# KiCad board cryboard.kicad_pcb (continued)
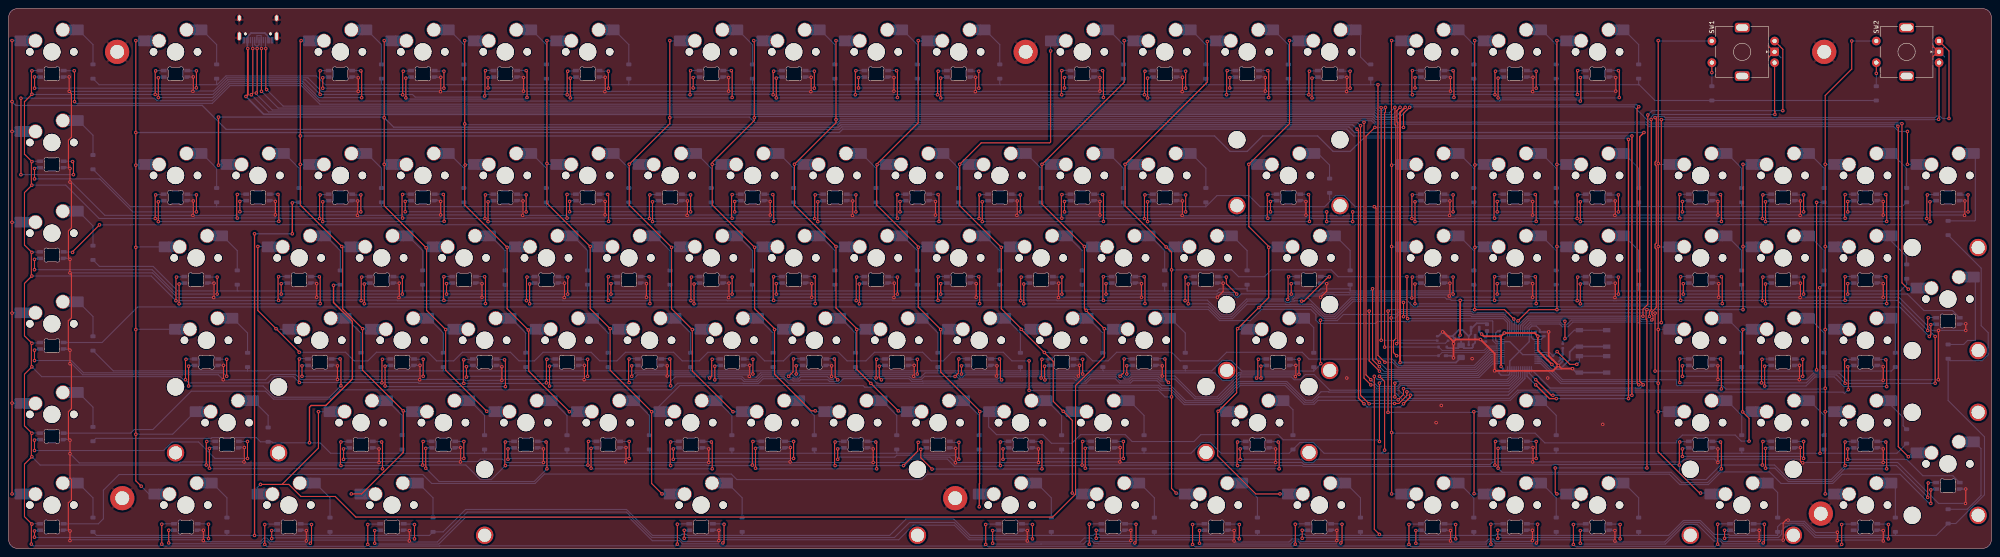
[diagram p0: board, top side]
## Routing (per net, layer and track width the routed paths; a pad name or vN(x,y) marks a point on that pad's centre or on a via; arc(x,y) is an arc through that point) (continued)
COL13: length 203.7
  Top w0.25: v1(295.99,117.39) 295.99,98.19 v1(286.59,88.79) 286.59,74.39 291.19,69.79 v1(291.19,69.59) 291.19,57.99 288.92,55.72 ; v1(322.33,56.86) v1(322.33,53.56) ; 288.92,55.72 v1(288.92,55.67) ; 288.92,55.72 v1(283.99,50.79) 283.77,50.57 283.77,35.97 v1(279.49,31.69) 279.39,31.59 279.39,21.39 288.19,12.59 v1(293.79,12.59)
  Bottom w0.25: U1.38 346.88,52.31 345.63,53.56 338.11,53.56 337.84,53.84 322.61,53.84 v1(322.33,53.56) ; v1(283.99,50.79) 284.12,50.65 MX75.1 ; MX54.1 291.3,69.7 v1(291.19,69.59) ; MX14.1 296.05,117.33 v1(295.99,117.39) ; 288.38,88.75 286.62,88.75 v1(286.59,88.79) ; MX91.1 279.57,31.6 v1(279.49,31.69) ; v1(288.92,55.67) 289.18,55.92 300.98,55.92 303.8,53.1 306.68,53.1 310.71,57.13 322.06,57.13 v1(322.33,56.86) ; v1(293.79,12.59) 295.48,12.59
COL14: length 260.8
  Top w0.25: v1(402.19,24.79) 402.19,30.06 v1(400.69,31.55) 400.69,50.49 v1(400.79,50.59) ; v1(319.59,12.59) v1(319.59,26.79) 319.55,26.82 319.55,53.2 v1(319.48,53.27) 319.59,53.38 v1(319.59,69.79) v1(319.59,88.59) 319.55,88.62 319.55,117.35 v1(319.59,117.39)
  Bottom w0.25: v1(319.59,88.59) 319.75,88.75 321.71,88.75 ; MX55.1 319.67,69.7 v1(319.59,69.79) ; v1(400.79,50.59) 402.61,50.59 ; v1(319.48,53.27) 320.48,53.27 321.49,54.29 338.02,54.29 338.3,54.01 345.81,54.01 347.38,52.44 U1.39 ; v1(400.69,31.55) 402.62,31.55 ; v1(319.59,117.39) 319.65,117.33 MX15.1 ; v1(319.59,26.79) 319.75,26.62 352.75,26.62 354.99,24.39 385.46,24.39 385.46,24.89 386.76,26.19 398.99,26.19 400.39,24.79 v1(402.19,24.79) ; v1(319.59,12.59) 321.68,12.59
COL15: length 168.3
  Top w0.25: v1(338.59,31.59) 338.64,31.53 v1(338.64,12.64) ; v1(347.83,53.02) 345.66,55.19 v1(338.79,55.19) v1(338.79,117.39) ; v1(318.75,31.44) v1(318.75,54.86)
  Bottom w0.25: v1(338.64,12.64) 338.73,12.55 MX107.1 ; v1(338.79,55.19) 319.08,55.19 v1(318.75,54.86) ; v1(318.75,31.44) 338.44,31.44 v1(338.59,31.59) 338.6,31.6 MX92.1 ; v1(347.83,53.02) 347.93,52.92 347.93,51.72 347.88,51.67 U1.40 ; v1(338.79,117.39) 338.85,117.33 MX16.1
  Bottom w0.3: v1(338.84,69.59) 338.94,69.7 MX56.1 ; 340.76,88.75 338.94,88.75 v1(338.84,88.64)
COL16: length 227.9
  Top w0.25: v1(400.79,55.19) v1(400.79,69.79) v1(400.79,88.79) ; v1(348.8,52.6) 351.39,55.19 v1(357.79,55.19) v1(357.79,69.79) v1(357.79,88.79) v1(357.79,117.39) ; v1(378.59,18.59) 378.59,52.79 378.39,52.99 378.39,54.99 v1(378.59,55.19) ; v1(357.39,18.59) 357.39,12.99 v1(357.79,12.59)
  Bottom w0.25: v1(357.79,55.19) v1(378.59,55.19) v1(400.79,55.19) ; v1(400.79,88.79) 402.64,88.79 ; U1.41 348.38,52.18 v1(348.8,52.6) ; MX57.1 357.87,69.7 v1(357.79,69.79) ; v1(357.79,88.79) 357.82,88.75 359.81,88.75 ; v1(357.79,117.39) 357.85,117.33 MX17.1 ; v1(357.39,18.59) v1(378.59,18.59) ; v1(357.79,12.59) 359.78,12.59 ; v1(400.79,69.79) 402.59,69.79
COL17: length 163.1
  Top w0.25: v1(390.99,12.79) 390.73,12.79 381.19,22.33 v1(381.19,31.59) v1(381.19,38.19) v1(381.19,50.59) v1(381.19,69.79) v1(381.19,88.99) v1(381.19,117.39)
  Bottom w0.25: v1(381.19,69.79) 381.27,69.7 MX58.1 ; v1(390.99,12.79) 392.92,12.79 ; v1(381.19,38.19) 380.84,38.53 358.88,38.53 354.13,43.29 U1.11 ; v1(381.19,117.39) 381.29,117.29 SW1.S1 ; MX93.1 381.2,31.6 v1(381.19,31.59) ; 383.63,88.75 381.42,88.75 v1(381.19,88.99) ; v1(381.19,50.59) 381.25,50.65 MX76.1
COL18: length 192.8
  Top w0.25: v1(425.91,117.29) 425.91,110.82 419.79,104.69 v1(419.79,88.79) v1(419.79,69.79) v1(419.79,50.59) v1(419.79,31.59) v1(419.79,12.59)
  Bottom w0.25: 421.73,88.75 419.82,88.75 v1(419.79,88.79) ; v1(419.79,37) 419.6,36.81 396.86,36.81 396.06,37.61 385.61,37.61 385.43,37.79 385.43,38.98 359.07,38.98 354.26,43.79 U1.10 ; v1(419.79,12.59) 421.69,12.59 ; v1(419.79,31.59) 419.8,31.6 MX95.1 ; v1(419.79,69.79) 419.87,69.7 MX60.1 ; v1(419.79,50.59) 419.85,50.65 MX78.1 ; v1(425.91,117.29) SW2.S1
D+: length 359.7
  Top w0.25: v1(317.96,46.52) 317.96,100.66 318.15,100.86 v1(318.15,101.96) ; v1(58.42,105.66) 58.42,115.18
  Bottom w0.2: 330.48,46.54 331.25,45.76 340.94,45.76 341.94,46.76 343.84,46.76 343.86,46.79 U1.33
  Bottom w0.25: 57.39,118.54 58.34,118.54 ; v1(58.42,105.66) 62.29,101.79 316.04,101.79 316.67,101.16 317.46,101.16 317.88,101.59 317.88,101.69 v1(318.15,101.96) ; 58.36,118.51 J1.B6 58.36,115.62 v1(58.42,115.56) ; U2.3 317.97,46.54 v1(317.96,46.52) ; J1.A6 57.36,118.51
D-: length 362.6
  Top w0.25: v1(320.34,101.96) 320.36,101.95 320.36,97.92 320.56,97.72 320.56,48.51 320.01,47.96 320.01,45.26 v1(320.73,44.54) ; v1(57.21,105.26) 57.42,105.47 57.42,115.18
  Bottom w0.2: 330.48,44.54 331.25,45.31 341.13,45.31 342.13,46.31 343.84,46.31 343.86,46.29 U1.32
  Bottom w0.25: U2.2 321.54,44.54 321.53,44.54 v1(320.73,44.54) ; v1(57.42,115.56) 57.52,115.66 57.52,116.12 ; 57.52,116.12 57.86,116.46 J1.A7 ; 57.52,116.12 57.2,116.12 56.86,116.46 J1.B7 ; v1(57.21,105.26) 57.21,105.05 60.93,101.34 315.86,101.34 316.48,100.71 319.09,100.71 v1(320.34,101.96)
DIN: length 465
  Top w0.25: v1(376.7,37.81) 376.3,38.2 376.3,101.69 v1(376.7,102.09) ; v1(15.23,103.28) 15.23,110.34 v1(15.15,110.42)
  Bottom w0.25: v1(15.15,110.42) 12.75,110.42 ; v1(376.7,37.81) 376.42,38.08 358.7,38.08 353.99,42.79 U1.12 ; v1(15.23,103.28) 15.62,102.88 47.06,102.88 51.16,106.98 67.64,106.98 71.94,102.69 324.05,102.69 324.2,102.54 376.25,102.54 v1(376.7,102.09)
ENC0_A: length 127.1
  Top w0.25: v1(378.79,100.19) 378.79,56.41 377.66,55.29 v1(377.66,53.67) ; v1(409.99,101.19) 409.99,115.39 SW1.B
  Bottom w0.25: v1(409.99,101.19) 379.79,101.19 v1(378.79,100.19) ; U1.42 348.88,51.65 350.89,53.67 v1(377.66,53.67)
ENC0_B: length 119.8
  Top w0.25: v1(379.55,99.17) 379.59,99.14 379.59,55.19 379.31,54.91 379.31,54.89 379.17,54.74 v1(379.17,53.64) ; v1(408.16,100.31) 408.16,101.01 408.09,101.09 SW1.A
  Bottom w0.25: U1.43 349.38,51.52 351.08,53.22 377.09,53.22 377.36,52.94 378.47,52.94 v1(379.17,53.64) ; v1(408.16,100.31) 380.16,100.31 379.55,99.7 v1(379.55,99.17)
ENC1_A: length 167.5
  Top w0.25: v1(448.39,99.39) 448.39,114.99 SW2.B ; v1(380.46,99.59) 380.74,99.31 380.74,89.56 380.46,89.29 380.46,88.69 380.74,88.41 380.74,70.59 380.46,70.31 380.46,69.46 380.74,69.19 380.74,55.69 379.74,54.69 379.74,54.09 379.99,53.84 379.99,53.06 v1(379.74,52.81)
  Bottom w0.25: v1(448.39,99.39) 446.81,99.39 446.29,99.91 445.54,99.91 445.19,99.56 382.79,99.56 382.51,99.84 380.71,99.84 v1(380.46,99.59) ; U1.45 350.38,51.09 351.6,52.32 358.6,52.32 359.24,51.68 360,51.68 361.09,52.77 376.9,52.77 377.17,52.49 379.41,52.49 v1(379.74,52.81)
ENC1_B: length 157.8
  Top w0.25: 381.91,98.91 v1(381.91,99.11) ; 381.91,98.91 381.99,98.99 ; 381.91,98.91 v1(381.91,52.19) ; v1(445.99,99.19) 446.09,99.29 SW2.A
  Bottom w0.25: v1(381.91,52.19) 381.77,52.04 376.81,52.04 376.53,52.32 361.46,52.32 360.37,51.23 359.05,51.23 358.42,51.87 351.79,51.87 350.88,50.96 U1.46 ; v1(381.91,99.11) 445.91,99.11 v1(445.99,99.19)
NRST: length 19.5
  Top w0.25: v1(357.83,45.49) 360.78,42.54 v1(362.38,42.54)
  Bottom w0.25: RST1.1 RST1.1 362.98,43.14 v1(362.38,42.54) ; U1.7 356.08,45.29 C1.1 357.83,45.47 v1(357.83,45.49)
ROW0: length 532.8
  Top w0.25: v1(318.03,43.02) 316.43,44.62 v1(316.43,107.19)
  Bottom w0.25: D13.1 295.71,107.26 295.79,107.19 ; 314.79,107.19 316.37,107.19 ; 314.79,107.19 314.76,107.21 D14.1 ; 314.79,107.19 295.79,107.19 ; 316.37,107.19 v1(316.43,107.19) ; 316.37,107.19 338.59,107.19 ; D5.1 124.26,107.31 124.39,107.19 ; 229.19,107.19 257.79,107.19 ; 229.19,107.19 229.04,107.34 D10.1 ; 229.19,107.19 209.99,107.19 ; 257.79,107.19 276.79,107.19 ; 257.79,107.19 257.61,107.36 D11.1 ; D17.1 376.67,107.27 376.59,107.19 ; 105.39,107.19 124.39,107.19 ; 105.39,107.19 86.39,107.19 ; 105.39,107.19 105.21,107.36 D4.1 ; 124.39,107.19 143.19,107.19 ; 171.99,107.19 171.89,107.29 D7.1 ; 171.99,107.19 190.99,107.19 ; 171.99,107.19 143.19,107.19 ; 276.79,107.19 295.79,107.19 ; 276.79,107.19 276.66,107.31 D12.1 ; D9.1 209.99,107.19 ; 209.99,107.19 190.99,107.19 ; 376.59,107.19 376.79,107.19 380.44,103.54 D111.1 D112.1 ; 376.59,107.19 357.59,107.19 ; 190.99,107.19 190.94,107.24 D8.1 ; 143.19,107.19 143.31,107.31 D6.1 ; 48.19,107.19 50.23,109.23 71.12,109.23 73.16,107.19 86.39,107.19 ; 48.19,107.19 48.06,107.31 D2.1 ; 48.19,107.19 20.89,107.19 D1.1 ; 86.39,107.19 86.16,107.41 D3.1 ; 338.59,107.19 338.57,107.2 D15.1 ; 338.59,107.19 357.59,107.19 ; v1(318.03,43.02) 319.8,43.02 321.06,41.76 338.82,41.76 342.34,45.29 U1.30 ; 357.59,107.19 357.62,107.22 D16.1
ROW1: length 513
  Top w0.25: v1(315.58,78.99) 315.66,78.99 315.98,78.67 315.98,43.81 v1(316.77,43.02)
  Bottom w0.25: D38.1 437.56,78.99 400.59,78.99 ; 47.99,78.99 48.06,79.06 D19.1 ; 47.99,78.99 28.13,78.99 D18.1 ; 47.99,78.99 86.19,78.99 ; 162.39,78.99 181.39,78.99 ; 162.39,78.99 162.36,79.01 D25.1 ; 162.39,78.99 143.19,78.99 ; 181.39,78.99 181.41,79.01 D26.1 ; 181.39,78.99 200.39,78.99 ; D30.1 257.61,79.01 257.59,78.99 ; 86.19,78.99 86.16,79.01 D21.1 ; 86.19,78.99 105.39,78.99 ; 376.79,78.99 376.67,79.1 D35.1 ; 376.79,78.99 400.59,78.99 ; 376.79,78.99 357.59,78.99 ; 338.59,78.99 357.59,78.99 ; 338.59,78.99 338.57,79 D33.1 ; 338.59,78.99 311.19,78.99 308.62,81.55 306.68,81.55 305.52,80.39 ; 357.59,78.99 357.62,79.02 D34.1 ; 400.59,78.99 400.49,79.09 D36.1 ; D28.1 219.51,79.11 219.39,78.99 ; D27.1 200.46,79.06 200.39,78.99 ; 238.59,78.99 238.56,79.01 D29.1 ; 238.59,78.99 257.59,78.99 ; 238.59,78.99 219.39,78.99 ; 200.39,78.99 219.39,78.99 ; 257.59,78.99 276.66,78.99 ; U1.29 342.48,44.79 339,41.31 318.48,41.31 v1(316.77,43.02) ; 305.52,80.39 305.26,80.65 D32.1 ; 305.52,80.39 304.11,78.99 289.19,78.99 286.62,81.55 279.23,81.55 276.66,78.99 ; 105.39,78.99 124.39,78.99 ; 105.39,78.99 105.21,79.16 D22.1 ; 124.39,78.99 143.19,78.99 ; 124.39,78.99 124.26,79.11 D23.1 ; 143.19,78.99 143.31,79.11 D24.1 ; 276.66,78.99 D31.1
ROW2: length 499.5
  Top w0.25: v1(316.76,42.01) 315.18,43.58 v1(315.18,60.02)
  Bottom w0.25: U1.28 342.61,44.29 339.19,40.86 317.9,40.86 v1(316.76,42.01) ; 267.19,59.51 267.14,59.56 267.14,60.96 ; 267.19,59.51 279.31,59.51 279.79,59.99 286.19,59.99 ; 267.19,59.51 248.19,59.51 ; 286.19,59.99 286.19,60.96 ; 286.19,59.99 286.19,59.51 302.79,59.51 302.79,59.59 303.19,59.99 310,59.99 ; 338.59,59.51 338.57,59.52 338.57,60.96 ; 338.59,59.51 315.18,59.51 ; 338.59,59.51 357.59,59.51 ; 229.04,60.96 229.04,59.66 229.19,59.51 ; 52.99,59.51 95.79,59.51 ; 52.99,59.51 52.82,59.67 52.82,60.96 ; 52.99,59.51 39.06,59.51 33.39,65.19 20.98,65.19 D40.1 ; 95.79,59.51 114.79,59.51 ; 95.79,59.51 95.69,59.61 95.69,60.96 ; 400.49,60.96 400.49,59.61 400.39,59.51 ; 190.94,60.96 190.94,59.56 190.99,59.51 ; 376.67,60.96 376.67,59.6 376.59,59.51 ; 314.79,59.51 315.18,59.51 ; 314.79,59.51 314.79,59.62 v1(315.18,60.02) 315.18,59.51 ; 314.79,59.51 309.99,59.51 310,59.52 310,59.99 ; 190.99,59.51 209.99,59.51 ; 190.99,59.51 171.99,59.51 ; 400.39,59.51 437.14,59.51 438.61,60.99 D60.1 ; 400.39,59.51 376.59,59.51 ; 152.79,59.51 152.84,59.56 152.84,60.96 ; 152.79,59.51 171.99,59.51 ; 152.79,59.51 133.79,59.51 ; 133.79,60.96 133.79,59.51 ; 133.79,59.51 114.79,59.51 ; 357.62,60.96 357.62,59.55 357.59,59.51 ; 209.99,60.96 209.99,59.51 ; 209.99,59.51 229.19,59.51 ; 357.59,59.51 376.59,59.51 ; 114.79,59.51 114.74,59.56 114.74,60.96 ; 229.19,59.51 248.19,59.51 ; 248.09,60.96 248.09,59.61 248.19,59.51 ; 310,59.99 310,60.96 ; 171.99,59.51 171.89,59.61 171.89,60.96
ROW3: length 545.9
  Top w0.25: v1(303.21,42.73) 303.14,42.8 v1(303.14,52.74) ; v1(316.77,40.97) 314.39,43.35 v1(314.39,54.86) ; v1(417.79,79.99) v1(417.79,41.26) ; v1(380.46,54.39) v1(380.46,40.99)
  Bottom w0.25: D70.1 195.7,41.12 195.79,41.03 ; 157.59,41.03 176.59,41.03 ; 157.59,41.03 157.6,41.05 D68.1 ; 157.59,41.03 138.59,41.03 ; 176.59,41.03 176.65,41.1 D69.1 ; 176.59,41.03 195.79,41.03 ; 419.59,40.99 419.54,41.04 D77.1 ; 419.59,40.99 400.59,40.99 ; 419.59,40.99 435.06,40.99 D78.1 ; D63.1 55.2,41.05 55.19,41.03 ; 314.39,54.06 v1(314.39,54.86) ; 314.39,54.06 320.64,54.06 321.31,54.74 338.21,54.74 338.49,54.46 380.39,54.46 v1(380.46,54.39) ; 314.39,54.06 308.44,54.06 307.02,52.65 303.23,52.65 v1(303.14,52.74) ; U1.27 342.75,43.79 339.38,40.41 317.33,40.41 v1(316.77,40.97) ; 195.79,41.03 214.79,41.03 ; 214.79,41.03 214.75,41.07 D71.1 ; 214.79,41.03 233.79,41.03 ; 271.99,41.03 271.9,41.12 D74.1 ; 271.99,41.03 278.03,41.03 280.45,43.45 282.52,43.45 284.99,40.99 301.59,40.99 ; 271.99,41.03 252.99,41.03 ; 81.39,41.03 100.39,41.03 ; 81.39,41.03 81.4,41.05 D64.1 ; 81.39,41.03 55.19,41.03 ; 100.39,41.03 119.59,41.03 ; 100.39,41.03 100.45,41.1 D65.1 ; D66.1 119.5,41.12 119.59,41.03 ; 301.59,40.99 D75.1 ; 301.59,40.99 303.28,42.68 303.26,42.68 v1(303.21,42.73) ; 55.19,41.03 24.17,41.03 D62.1 ; 400.59,40.99 400.49,41.09 D76.1 ; 400.59,40.99 v1(380.46,40.99) ; 252.99,41.03 252.85,41.17 D73.1 ; 252.99,41.03 233.79,41.03 ; 119.59,41.03 138.59,41.03 ; 233.79,41.03 233.8,41.05 D72.1 ; D67.1 138.55,41.07 138.59,41.03 ; v1(417.79,79.99) 417.81,80.01 D37.1
ROW4: length 571.6
  Top w0.25: v1(418.51,60.24) 418.59,60.16 v1(418.59,21.99) ; v1(317.96,22.71) 317.96,38.59 v1(316.77,39.78)
  Top w0.3: v1(75.07,60.81) 75.07,56.83 79.43,52.47 79.43,39.17 73.29,33.03 69.91,33.03 69.52,32.63 v1(69.52,24.4)
  Bottom w0.25: 419.59,21.99 419.54,22.04 D94.1 ; 419.59,21.99 436.34,21.99 D95.1 ; 419.59,21.99 v1(418.59,21.99) 400.59,21.99 ; D87.1 205.22,22.02 205.19,21.99 ; 400.59,21.99 400.49,22.09 D93.1 ; 400.59,21.99 357.59,21.99 ; D92.1 357.62,22.02 357.59,21.99 ; 357.59,21.99 317.17,21.99 ; 109.99,21.99 109.97,22 D82.1 ; 109.99,21.99 90.99,21.99 ; 109.99,21.99 128.99,21.99 ; 90.99,21.99 74.39,21.99 71.97,24.4 v1(69.52,24.4) 61.06,24.4 60.83,24.63 58.2,24.63 57.22,25.61 47.01,25.61 46.84,25.44 20.16,25.44 D79.1 ; 90.99,21.99 90.92,22.05 D81.1 ; D83.1 129.02,22.02 128.99,21.99 ; 167.19,21.99 186.39,21.99 ; 167.19,21.99 167.12,22.05 D85.1 ; 167.19,21.99 148.19,21.99 ; 186.39,21.99 205.19,21.99 ; 186.39,21.99 186.17,22.2 D86.1 ; 262.39,21.99 262.37,22 D90.1 ; 262.39,21.99 273.23,21.99 275.72,24.48 277.69,24.48 280.19,21.99 295.91,21.99 D91.1 298.41,24.48 301.49,24.48 303.99,21.99 317.17,21.99 ; 262.39,21.99 243.39,21.99 ; D84.1 148.07,22.1 148.19,21.99 ; 317.17,21.99 317.24,21.99 v1(317.96,22.71) ; 128.99,21.99 148.19,21.99 ; 419.54,60.96 419.24,60.96 v1(418.51,60.24) ; 205.19,21.99 224.39,21.99 ; 243.39,21.99 243.32,22.05 D89.1 ; 243.39,21.99 224.39,21.99 ; 224.39,21.99 224.27,22.1 D88.1 ; U1.26 342.9,43.29 339.58,39.96 317.14,39.96 316.96,39.78 v1(316.77,39.78)
  Bottom w0.3: v1(75.07,60.81) 75.22,60.96 76.64,60.96
ROW5: length 699
  Top w0.25: v1(316.77,3.22) 315.58,4.41 v1(315.58,39.78)
  Top w0.3: v1(56.82,72.72) 56.82,72.71 56.82,2.99 v1(56.82,2.99) ; v1(65.55,79.86) v1(65.55,72.72)
  Bottom w0.25: 240.99,2.99 250.61,2.99 250.89,3.26 251.8,3.26 252.08,2.99 264.79,2.99 ; 240.99,2.99 222.19,2.99 218.39,6.79 207.39,6.79 203.59,2.99 169.59,2.99 ; 240.99,2.99 240.94,3.03 D102.1 ; 50.39,2.99 20.31,2.99 D97.1 ; 50.39,2.99 v1(56.82,2.99) 74.19,2.99 ; 50.39,2.99 50.44,3.04 D98.1 ; 357.59,2.99 376.59,2.99 ; 357.59,2.99 357.62,3.02 D107.1 ; 357.59,2.99 344.95,2.99 344.67,3.26 343.76,3.26 343.48,2.99 338.79,2.99 ; 376.59,2.99 383.56,2.99 387.02,6.44 390.93,6.44 394.13,3.24 397.48,3.24 397.73,2.99 408.79,2.99 ; 376.59,2.99 376.67,3.07 D108.1 ; D103.1 264.75,3.02 264.79,2.99 ; 169.59,2.99 169.5,3.07 D101.1 ; 169.59,2.99 156.83,2.99 156.55,3.26 155.64,3.26 155.36,2.99 148.79,2.99 142.79,8.99 105.59,8.99 100.41,3.81 D100.1 97.24,2.99 74.19,2.99 ; U1.25 343.04,42.79 339.76,39.51 317.53,39.51 317.07,39.05 316.3,39.05 v1(315.58,39.78) ; 436.19,2.99 417.59,2.99 414.77,5.8 409.6,5.8 408.79,4.99 408.79,2.99 ; 436.19,2.99 445.44,2.99 D96.1 449.94,5.74 456.59,12.39 456.59,25.79 448.19,34.19 D61.1 448.64,43.39 456.07,43.39 457.45,44.77 457.45,49.86 455.83,51.48 455.83,64.77 D39.1 ; 436.19,2.99 435.99,3.19 D110.1 ; D105.1 312.38,3.19 312.59,2.99 ; 408.79,2.99 D109.1 ; 312.59,2.99 338.79,2.99 ; 312.59,2.99 299.7,2.99 299.43,3.26 298.51,3.26 298.24,2.99 288.59,2.99 ; 338.79,2.99 338.57,3.2 D106.1 ; 74.19,2.99 74.25,3.05 D99.1 ; 264.79,2.99 288.59,2.99 ; 288.59,2.99 288.57,3 D104.1
  Bottom w0.3: v1(65.55,72.72) v1(56.82,72.72) ; D20.1 65.7,80.01 v1(65.55,79.86)
Net-(D1-A): length 9.4
  Bottom w0.25: MX1.2 19.49,116.46 D1.2
Net-(D2-A): length 9.4
  Bottom w0.25: D2.2 48.06,116.46 MX2.2
Net-(D3-A): length 9.4
  Bottom w0.25: D3.2 86.16,116.46 82.75,119.87
Net-(D4-A): length 9.4
  Bottom w0.25: D4.2 105.21,116.46 MX4.2
Net-(D5-A): length 9.4
  Bottom w0.25: D5.2 124.26,116.46 MX5.2
Net-(D6-A): length 9.4
  Bottom w0.25: MX6.2 143.31,116.46 D6.2
Net-(D7-A): length 9.4
  Bottom w0.25: D7.2 171.89,116.46 MX7.2
Net-(D8-A): length 9.4
  Bottom w0.25: MX8.2 190.94,116.46 D8.2
Net-(D9-A): length 9.4
  Bottom w0.25: MX9.2 209.99,116.46 D9.2
Net-(D10-A): length 9.4
  Bottom w0.25: D10.2 229.04,116.46 MX10.2
Net-(D11-A): length 9.4
  Bottom w0.25: MX11.2 257.61,116.46 D11.2
Net-(D12-A): length 9.4
  Bottom w0.25: D12.2 276.66,116.46 MX12.2
Net-(D13-A): length 9.4
  Bottom w0.25: 292.3,119.87 295.71,116.46 D13.2
Net-(D14-A): length 9.8
  Bottom w0.25: MX14.2 312.4,118.81 312.4,113.6 314.11,111.89 D14.2
Net-(D15-A): length 9.4
  Bottom w0.25: MX15.2 338.57,116.46 D15.2
Net-(D16-A): length 9.4
  Bottom w0.25: MX16.2 357.62,116.46 D16.2
Net-(D17-A): length 9.4
  Bottom w0.25: D17.2 376.67,116.46 MX17.2
Net-(D18-A): length 9.4
  Bottom w0.25: MX18.2 19.49,95.5 D18.2
Net-(D19-A): length 9.4
  Bottom w0.25: 48.06,83.31 48.06,87.88 MX19.2
Net-(D20-A): length 9.4
  Bottom w0.25: 67.11,83.31 67.11,87.88 MX20.2
Net-(D21-A): length 9.4
  Bottom w0.25: 82.75,91.29 86.16,87.88 86.16,83.31
Net-(D22-A): length 9.4
  Bottom w0.25: 105.21,83.31 105.21,87.88 MX22.2
Net-(D23-A): length 9.4
  Bottom w0.25: 124.26,83.31 124.26,87.88 MX23.2
Net-(D24-A): length 9.4
  Bottom w0.25: 143.31,83.31 143.31,87.88 MX24.2
Net-(D25-A): length 9.4
  Bottom w0.25: 162.36,83.31 162.36,87.88 MX25.2
Net-(D26-A): length 9.4
  Bottom w0.25: 181.41,83.31 181.41,87.88 MX26.2
Net-(D27-A): length 9.4
  Bottom w0.25: 200.46,83.31 200.46,87.88 MX27.2
Net-(D28-A): length 9.4
  Bottom w0.25: 219.51,83.31 219.51,87.88 MX28.2
Net-(D29-A): length 9.4
  Bottom w0.25: MX29.2 238.56,87.88 238.56,83.31
Net-(D30-A): length 9.4
  Bottom w0.25: 257.61,83.31 257.61,87.88 MX30.2
Net-(D31-A): length 9.4
  Bottom w0.25: 276.66,83.31 276.66,87.88 MX31.2
Net-(D32-A): length 6.9
  Bottom w0.25: 305.24,85.5 305.24,88.62 302.56,91.29
Net-(D33-A): length 9.4
  Bottom w0.25: MX33.2 338.57,87.88 338.57,83.31
Net-(D34-A): length 9.4
  Bottom w0.25: 357.62,83.31 357.62,87.88 MX34.2
Net-(D35-A): length 9.4
  Bottom w0.25: 376.67,83.31 376.67,87.88 MX35.2
Net-(D36-A): length 9.4
  Bottom w0.25: MX36.2 400.49,87.88 400.49,83.31
Net-(D37-A): length 9.4
  Bottom w0.25: MX37.2 419.54,87.88 419.54,83.31
Net-(D38-A): length 9.4
  Bottom w0.25: 438.59,83.31 438.59,87.88 MX38.2
Net-(D39-A): length 21.5
  Bottom w0.25: 454.47,91.05 454.47,75.87 454.31,75.71 D39.2
Net-(D40-A): length 9.4
  Bottom w0.25: D40.2 19.49,74.55 MX40.2
Net-(D41-A): length 9.4
  Bottom w0.25: MX41.2 52.82,68.83 D41.2
Net-(D42-A): length 9.4
  Bottom w0.25: MX42.2 76.64,68.83 D42.2
Net-(D43-A): length 9.4
  Bottom w0.25: MX43.2 95.69,68.83 D43.2
Net-(D44-A): length 9.4
  Bottom w0.25: MX44.2 114.74,68.83 D44.2
Net-(D45-A): length 9.4
  Bottom w0.25: D45.2 133.79,68.83 MX45.2
Net-(D46-A): length 9.4
  Bottom w0.25: MX46.2 152.84,68.83 D46.2
Net-(D47-A): length 9.4
  Bottom w0.25: MX47.2 171.89,68.83 D47.2
Net-(D48-A): length 9.4
  Bottom w0.25: MX48.2 190.94,68.83 D48.2
Net-(D49-A): length 9.4
  Bottom w0.25: D49.2 209.99,68.83 MX49.2
Net-(D50-A): length 9.4
  Bottom w0.25: D50.2 229.04,68.83 MX50.2
Net-(D51-A): length 9.4
  Bottom w0.25: MX51.2 248.09,68.83 D51.2
Net-(D52-A): length 9.4
  Bottom w0.25: MX52.2 267.14,68.83 D52.2
Net-(D53-A): length 9.4
  Bottom w0.25: D53.2 286.19,68.83 MX53.2
Net-(D54-A): length 9.4
  Bottom w0.25: MX54.2 310,68.83 D54.2
Net-(D55-A): length 9.4
  Bottom w0.25: D55.2 338.57,68.83 MX55.2
Net-(D56-A): length 9.4
  Bottom w0.25: MX56.2 357.62,68.83 D56.2
Net-(D57-A): length 9.4
  Bottom w0.25: D57.2 376.67,68.83 MX57.2
Net-(D58-A): length 9.4
  Bottom w0.25: D58.2 400.49,68.83 MX58.2
Net-(D59-A): length 9.4
  Bottom w0.25: D59.2 419.54,68.83 MX59.2
Net-(D60-A): length 8
  Bottom w0.25: MX60.2 435.18,70.9 438.59,67.49 438.59,65.66
Net-(D61-A): length 21.1
  Bottom w0.25: 454.47,62.48 454.47,48.07 452.69,48.07 451.76,47.14 D61.2
Net-(D62-A): length 9.4
  Bottom w0.25: MX62.2 19.49,53.59 D62.2
Net-(D63-A): length 9.4
  Bottom w0.25: MX63.2 55.2,49.78 D63.2
Net-(D64-A): length 9.4
  Bottom w0.25: D64.2 81.4,49.78 MX64.2
Net-(D65-A): length 9.4
  Bottom w0.25: MX65.2 100.45,49.78 D65.2
Net-(D66-A): length 9.4
  Bottom w0.25: MX66.2 119.5,49.78 D66.2
Net-(D67-A): length 9.4
  Bottom w0.25: D67.2 138.55,49.78 MX67.2
Net-(D68-A): length 9.4
  Bottom w0.25: D68.2 157.6,49.78 MX68.2
Net-(D69-A): length 9.4
  Bottom w0.25: MX69.2 176.65,49.78 D69.2
Net-(D70-A): length 9.4
  Bottom w0.25: MX70.2 195.7,49.78 D70.2
Net-(D71-A): length 9.4
  Bottom w0.25: D71.2 214.75,49.78 MX71.2
Net-(D72-A): length 9.4
  Bottom w0.25: MX72.2 233.8,49.78 D72.2
Net-(D73-A): length 9.4
  Bottom w0.25: MX73.2 252.85,49.78 D73.2
Net-(D74-A): length 9.4
  Bottom w0.25: MX74.2 271.9,49.78 D74.2
Net-(D75-A): length 8.9
  Bottom w0.25: D75.2 301.59,51.05 MX75.2
Net-(D76-A): length 9.4
  Bottom w0.25: MX76.2 400.49,49.78 D76.2
Net-(D77-A): length 9.4
  Bottom w0.25: D77.2 419.54,49.78 MX77.2
Net-(D78-A): length 7.2
  Bottom w0.25: 435.99,52.38 D78.2
Net-(D79-A): length 9.4
  Bottom w0.25: D79.2 19.49,32.64 MX79.2
Net-(D80-A): length 7.6
  Bottom w0.25: D80.2 59.97,30.73 MX80.2
Net-(D81-A): length 9.4
  Bottom w0.25: MX81.2 90.92,30.73 D81.2
Net-(D82-A): length 9.4
  Bottom w0.25: MX82.2 109.97,30.73 D82.2
Net-(D83-A): length 9.4
  Bottom w0.25: MX83.2 129.02,30.73 D83.2
Net-(D84-A): length 9.4
  Bottom w0.25: MX84.2 148.07,30.73 D84.2
Net-(D85-A): length 9.4
  Bottom w0.25: D85.2 167.12,30.73 MX85.2
Net-(D86-A): length 9.4
  Bottom w0.25: MX86.2 186.17,30.73 D86.2
Net-(D87-A): length 9.4
  Bottom w0.25: D87.2 205.22,30.73 MX87.2
Net-(D88-A): length 9.4
  Bottom w0.25: D88.2 224.27,30.73 MX88.2
Net-(D89-A): length 9.4
  Bottom w0.25: MX89.2 243.32,30.73 D89.2
Net-(D90-A): length 9.4
  Bottom w0.25: D90.2 262.37,30.73 MX90.2
Net-(D91-A): length 8.9
  Bottom w0.25: MX91.2 296.79,32.04 D91.2
Net-(D92-A): length 9.4
  Bottom w0.25: D92.2 357.62,30.73 MX92.2
Net-(D93-A): length 9.4
  Bottom w0.25: MX93.2 400.49,30.73 D93.2
Net-(D94-A): length 9.4
  Bottom w0.25: MX94.2 419.54,30.73 D94.2
Net-(D95-A): length 8
  Bottom w0.25: D95.2 437.79,28.34 437.79,30.28 435.18,32.89 MX95.2
Net-(D96-A): length 22
  Bottom w0.25: MX96.2 455.79,23.06 455.79,12.22 452.6,9.04 D96.2
Net-(D97-A): length 9.4
  Bottom w0.25: D97.2 19.49,11.68 MX97.2
Net-(D98-A): length 9.4
  Bottom w0.25: MX98.2 50.44,11.68 D98.2
Net-(D99-A): length 9.4
  Bottom w0.25: D99.2 74.25,11.68 MX99.2
Net-(D100-A): length 9.4
  Bottom w0.25: D100.2 98.07,11.68 MX100.2
Net-(D101-A): length 9.4
  Bottom w0.25: D101.2 169.5,11.68 MX101.2
Net-(D102-A): length 9.4
  Bottom w0.25: D102.2 240.94,11.68 MX102.2
Net-(D103-A): length 9.4
  Bottom w0.25: D103.2 264.75,11.68 MX103.2
Net-(D104-A): length 9.4
  Bottom w0.25: D104.2 288.57,11.68 MX104.2
Net-(D105-A): length 9.4
  Bottom w0.25: D105.2 312.38,11.68 MX105.2
Net-(D106-A): length 9.4
  Bottom w0.25: D106.2 338.57,11.68 MX106.2
Net-(D107-A): length 9.4
  Bottom w0.25: MX107.2 357.62,11.68 D107.2
Net-(D108-A): length 9.4
  Bottom w0.25: MX108.2 376.67,11.68 D108.2
Net-(D109-A): length 8.9
  Bottom w0.25: MX109.2 408.79,12.91 D109.2
Net-(D110-A): length 7.2
  Bottom w0.25: 435.99,14.28 D110.2
Net-(D111-A): length 5.2
  Top w0.25: SW1.S2 v1(393.59,109.99)
  Bottom w0.25: D111.2 393.59,109.79
Net-(D112-A): length 5.4
  Top w0.25: SW2.S2 v1(431.59,109.79)
  Bottom w0.25: D112.2 v1(431.59,109.79)
Net-(J1-CC1): length 347.8
  Top w0.25: 56.42,115.18 56.42,105.22 v1(56.07,104.86) ; v1(320.73,47.32) 321.01,47.59 321.01,98.41 320.81,98.61 320.81,101.24 v1(321.53,101.96)
  Bottom w0.25: R1.2 332.03,47.43 320.85,47.43 v1(320.73,47.32) ; v1(321.53,101.96) 319.83,100.26 316.3,100.26 315.67,100.89 60.05,100.89 v1(56.07,104.86) ; J1.A5 56.36,115.62 v1(56.42,115.56)
Net-(J1-CC2): length 337.1
  Top w0.25: v1(317.17,48.11) 317.17,101.88 v1(317.16,101.89) ; v1(59.61,106.07) 59.42,106.25 59.42,115.18
  Bottom w0.25: v1(59.42,115.56) 59.36,115.62 J1.B5 ; v1(59.61,106.07) 63.44,102.24 316.81,102.24 v1(317.16,101.89) ; v1(317.17,48.11) 330.04,48.11
Net-(LED1-DOUT): length 46.5
  Top w0.25: v1(5.99,108.99) v1(5.99,106.39) ; v1(43.39,106.46) v1(43.39,110.39)
  Bottom w0.25: 6.39,106.39 43.31,106.39 v1(43.39,106.46) ; LED1.2 6.02,108.96 v1(5.99,108.99) ; v1(43.39,110.39) 41.76,110.39
Net-(LED2-DOUT): length 64.3
  Top w0.25: v1(34.59,108.79) v1(34.59,104.21) ; v1(81.59,104.19) 81.59,110.19 v1(81.39,110.39)
  Bottom w0.25: LED2.2 34.76,108.96 v1(34.59,108.79) ; v1(81.39,110.39) 81.32,110.46 LED3.3 ; v1(81.59,104.19) 81.56,104.21 71.69,104.21 68.02,107.88 50.79,107.88 47.12,104.21 v1(34.59,104.21)
Net-(LED3-DOUT): length 37.6
  Top w0.25: v1(72.59,108.79) v1(72.59,106.39) ; v1(100.59,106.39) v1(100.59,110.31)
  Bottom w0.25: v1(72.59,108.79) 72.76,108.96 LED3.2 ; v1(100.59,110.31) 98.96,110.31 ; v1(72.59,106.39) 100.79,106.39
Net-(LED4-DOUT): length 41.9
  Top w0.25: 119.79,110.24 v1(119.79,104.24) ; v1(91.79,108.71) v1(91.79,104.14)
  Bottom w0.25: v1(91.79,104.14) 92.06,103.86 119.41,103.86 v1(119.79,104.24) ; 93.04,108.88 91.96,108.88 ; 117.59,110.51 119.52,110.51
  vias: v1(119.59,110.44)
